# KiCad board atonceplus.kicad_pcb (continued)
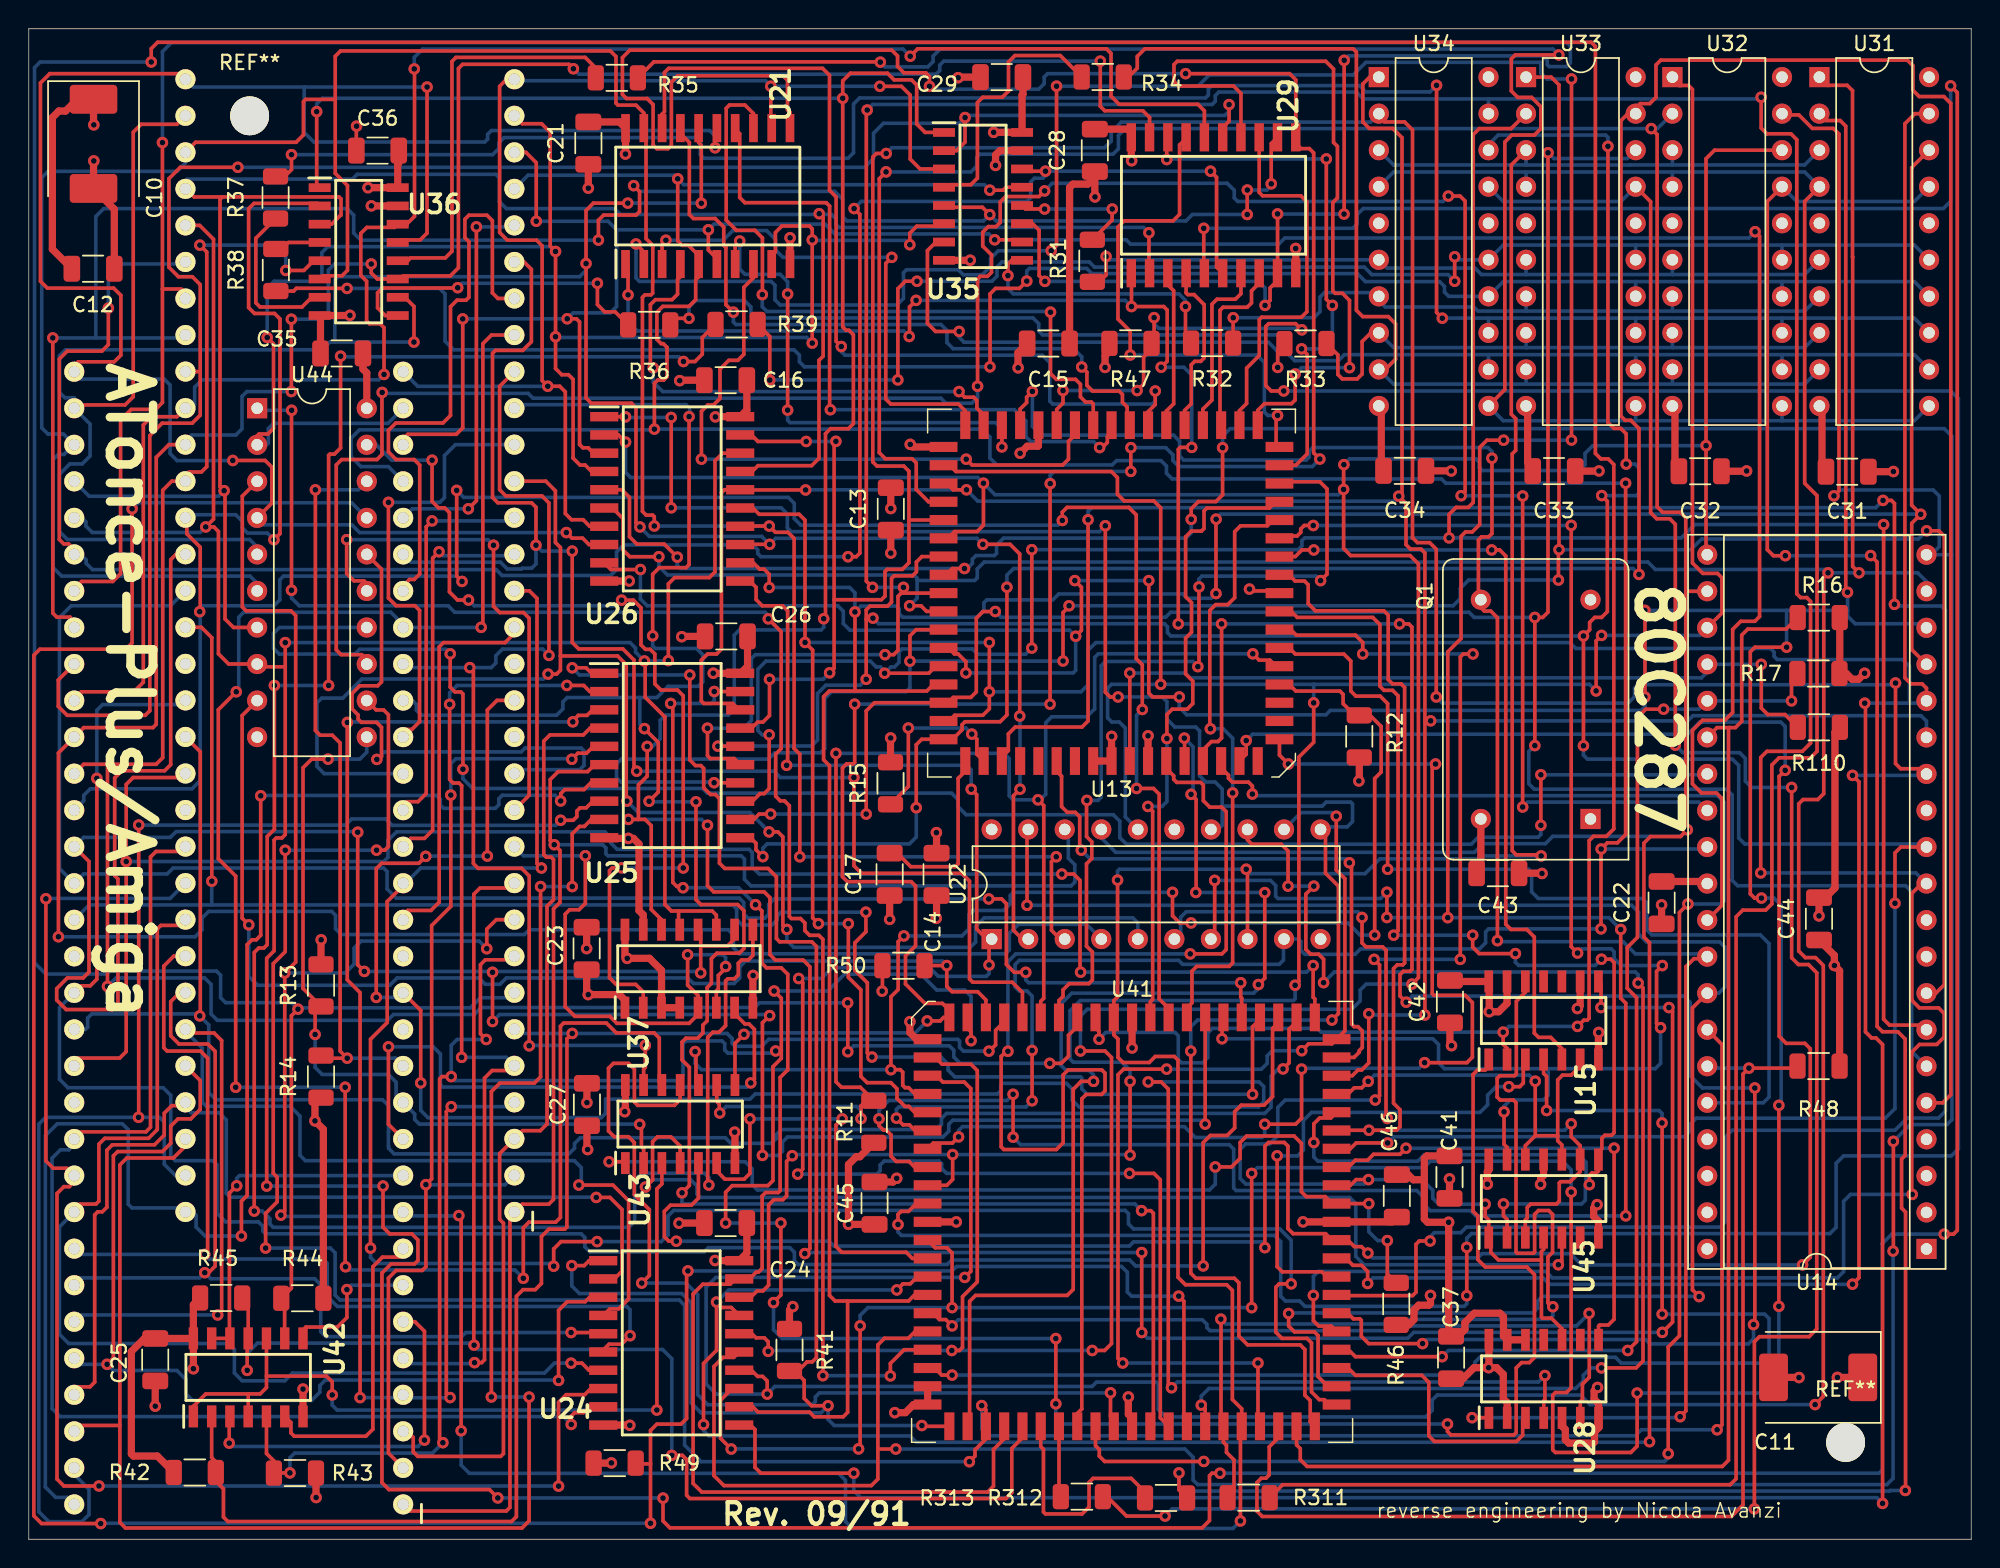
[diagram p0: board, top side]
## Routing (per net, layer and track width the routed paths; a pad name or vN(x,y) marks a point on that pad's centre or on a via; arc(x,y) is an arc through that point) (continued)
  Bottom w0.25: v1(69.73,33.98) 69.73,37.76 69.37,38.12 68.82,38.12 68.55,38.39 68.55,39.95 68.84,40.24 79.92,40.24 80.2,39.96 86.9,39.96 87.2,40.26 87.2,41.68 U22.9 88.24,41.72 88.41,41.55 88.41,40.93 88.68,40.66 92.18,40.66 92.56,41.04 100.83,41.04 101.25,41.46 101.25,42.22 101.46,42.43 v1(109.27,42.43) ; v1(60.3,29.27) 60.3,29.88 60.47,30.05 69.3,30.05 v1(69.73,30.48) ; 26.03,73.39 26.02,73.4 J1.29 24.99,74.57 23.08,74.57 22.4,75.25 22.4,76.54 22.98,77.12 43.43,77.12 v1(43.48,77.17) 66.25,77.17 66.8,76.62 66.8,75.16 67.28,74.68 75.3,74.68 75.6,74.98 78.69,74.98 79.07,74.6 79.07,74.1 79.46,73.71 98.18,73.71 98.48,73.41 v1(110.98,73.41) ; v1(66.79,93.78) 66.41,94.16 45.51,94.16 v1(45.1,94.57) 44.85,94.82 34.7,94.82 J2.29 ; U14.29 116.51,47.98 v1(109.28,47.98)
Z_A2: length 190.2
  Top w0.25: U21.6 47.82,89.03 47.23,89.62 v1(47.23,91.03) ; v1(119.98,90.89) 120.29,90.58 120.29,64.14 119.96,63.81 118.98,63.81 118.42,63.25 118.42,57.47 117.88,56.93 116.32,56.93 115.62,56.23 115.62,52.51 116.25,51.88 117.29,51.88 117.68,51.49 117.68,44.07 U14.31 ; J2.30 34.55,96.41 35.27,95.69 v1(35.27,91.62) ; v1(67.13,90.33) 68.88,90.33 U35.10 ; 26.03,75.93 26.03,76.5 26.34,76.81 29.71,76.81 30.16,77.26 v1(30.16,84.83) ; 40,75.5 39.25,75.5 38.88,75.87 38.51,75.87 38.28,76.1 38.28,84.62 38.06,84.84 v1(37.42,84.84)
  Bottom w0.25: v1(30.16,84.83) 30.17,84.84 v1(37.42,84.84) 37.83,85.25 40.41,85.25 40.86,85.69 40.86,91.03 ; 40.86,91.03 40.26,91.62 v1(35.27,91.62) ; 40.86,91.03 v1(47.23,91.03) 47.62,91.42 55.34,91.42 56.02,90.74 66.72,90.74 v1(67.13,90.33) 76.27,90.33 76.57,90.03 86.87,90.03 87.3,90.45 119.54,90.45 v1(119.98,90.89)
Z_A3: length 116.6
  Top w0.25: J2.31 34.3,98.4 35.64,98.4 36.24,97.8 36.24,89.89 v1(36.61,89.52) v1(36.61,83.59) 36.61,81.38 37.04,80.95 37.51,80.95 37.83,80.63 37.83,75.15 38.31,74.67 38.67,74.67 39.11,74.22 U26.4 ; v1(61.23,89.99) 61.23,90.79 61.72,91.28 63.44,91.28 U35.6 ; v1(16.57,83.54) 17.01,83.1 17.01,77.22 16.62,76.83 16,76.83 15.87,76.7 U44.2 ; v1(54.45,83.15) v1(54.45,90.32) 54.45,91.09 54.25,91.29 52.34,91.29 51.89,90.84 51.89,89.49 51.63,89.23 U21.9
  Bottom w0.25: J1.31 24.97,77.57 17.01,77.57 16.65,77.21 16.65,76.2 16.53,76.08 U44.2 ; v1(36.61,89.52) 36.28,89.85 20.78,89.85 20.37,89.44 20.37,87.81 20.01,87.45 17.06,87.45 16.57,86.96 v1(16.57,83.54) ; v1(36.61,83.59) 36.66,83.54 54.06,83.54 v1(54.45,83.15) ; v1(61.23,89.99) 60.93,90.29 54.48,90.29 v1(54.45,90.32) 54.46,90.33
Z_A4: length 86
  Top w0.25: v1(59.15,101) 60.65,101 61.26,100.39 61.26,95.94 61.94,95.25 U35.3 ; U21.12 51.57,98.16 v1(51.57,101) ; J2.32 33.21,101.49 32.72,101 32.72,90.84 33.26,90.3 35.29,90.3 35.68,89.91 35.68,80.54 v1(36.07,80.15) 36.9,80.15 37.29,79.76 37.29,71.3 37.72,70.87 38.53,70.87 38.98,70.42 40,70.42
  Bottom w0.25: J1.32 27.04,80.14 36.06,80.14 v1(36.07,80.15) ; J2.32 33.85,101.39 51.21,101.39 51.57,101.03 v1(51.57,101) 59.15,101 v1(59.15,101)
Z_A5: length 150.9
  Top w0.25: v1(37.36,69.98) 37.75,69.59 38.49,69.59 38.94,69.14 U26.8 ; U44.4 16.9,72.03 16.9,74.52 16.43,74.99 v1(14.18,74.99) ; U21.15 47.7,97.97 v1(47.7,96.72) ; v1(27.68,100.95) 27.68,90.8 27.2,90.32 25.82,90.32 U36.13 ; J1.33 3.16,81.57 3.44,81.85 5.94,81.85 6.4,82.31 6.4,86.47 5.9,86.97 1.29,86.97 0.81,87.45 0.81,101.23 1.46,101.88 10.5,101.88 J2.33
  Bottom w0.25: v1(47.7,96.72) 47.7,97.55 47.33,97.92 32.15,97.92 31.89,97.66 31.89,97.33 31.69,97.13 19.81,97.13 19.14,97.8 19.14,100.95 ; J2.33 10.9,101.49 11.44,100.95 19.14,100.95 ; v1(14.18,74.99) 14.17,74.98 10.31,74.98 9.82,75.47 9.82,80.24 9.41,80.65 3.67,80.65 J1.33 ; v1(37.36,69.98) 37.35,69.97 23,69.97 22.45,70.52 16.36,70.52 15.88,71 U44.4 ; 19.14,100.95 v1(27.68,100.95)
Z_A6: length 203.9
  Top w0.25: U36.10 26.14,86.34 26.77,85.7 v1(26.77,83.22) ; v1(68.87,57.22) 68.87,68.49 68.2,69.16 v1(66.31,69.16) ; U21.16 46.56,97.09 46.74,96.91 v1(46.74,92.87) ; v1(41.63,92.88) 39.24,92.88 38.73,92.37 v1(38.73,88.68) 38.73,79.33 39.09,78.97 41.89,78.97 42.2,78.66 42.2,70.64 v1(42.47,70.37) ; v1(51.49,69.16) 49.46,69.16 U26.13 ; J1.34 3.16,78.67 3.34,78.85 6.69,78.85 7.26,79.42 7.26,97.81 7.81,98.36 10.3,98.36 J2.34 ; U22.2 69.05,41.72 68.43,42.34 68.43,51.68 v1(68.89,52.14)
  Bottom w0.25: 21.27,83.22 20.92,83.22 20.38,82.68 2.54,82.68 2.13,82.27 2.13,79.73 2.51,79.35 3.14,79.35 3.16,79.33 J1.34 4.26,77.52 4.26,75.3 3.71,74.75 2.85,74.75 2.13,74.03 2.13,70.05 2.68,69.5 15.35,69.5 15.87,68.98 U44.5 ; 21.27,83.22 21.27,87.55 21.48,87.76 38.28,87.76 38.73,88.21 v1(38.73,88.68) ; 21.27,83.22 v1(26.77,83.22) ; v1(42.47,70.37) 43.13,69.71 50.94,69.71 v1(51.49,69.16) 51.91,69.58 65.89,69.58 v1(66.31,69.16) ; v1(46.74,92.87) 46.73,92.88 v1(41.63,92.88) ; v1(68.89,52.14) 68.89,57.2 v1(68.87,57.22)
Z_A7: length 200.6
  Top w0.25: U36.6 20.44,87.83 21.77,87.83 22.15,88.21 22.15,94.1 21.3,94.95 21.3,100.09 ; v1(53.59,47.44) 53.59,54.57 53.19,54.97 53.19,69.57 52.76,70 51.89,70 v1(51.46,70.43) 49.46,70.43 49.44,70.42 ; U22.3 71.69,41.72 71.07,42.34 71.07,47.1 v1(71.41,47.44) ; 21.3,100.09 19.24,100.09 19.09,99.94 19.09,97.62 18.58,97.11 11.59,97.11 J2.35 ; 21.3,100.09 21.3,103.09 21.67,103.46 40.42,103.46 40.81,103.07 40.81,99.83 40.95,99.69 42.2,99.69 42.75,99.15 U21.19 42.9,97.94 42.9,90.42 43.36,89.96 43.36,89.89 43.37,89.88 43.37,87.41 43.36,87.4 43.36,86.62 43.24,86.5 42.82,86.5 42.65,86.33 42.65,71.45 42.91,71.19 43.36,71.19 43.47,71.08 v1(43.47,70.44)
  Bottom w0.25: v1(71.41,47.44) v1(53.59,47.44) ; v1(51.46,70.43) 43.48,70.43 v1(43.47,70.44) ; U44.6 15.87,66.46 15.37,66.96 2.28,66.96 1.68,67.56 1.68,75.04 2.05,75.41 2.45,75.41 3.12,76.08 J1.35 2.41,76.83 1.33,76.83 0.9,77.26 0.9,94.65 1.34,95.09 10.31,95.09 10.89,95.67 J2.35
Z_A8: length 153.5
  Top w0.25: v1(77.85,90.82) 77.85,88.05 U29.2 ; J2.36 10.93,93.87 11.49,93.31 13.46,93.31 ; 13.46,93.31 13.29,93.14 13.29,73.18 v1(13.58,72.89) 13.64,72.83 13.64,63.97 14.23,63.38 U44.7 ; 13.46,93.31 21.56,93.31 21.7,93.17 21.7,92.04 21.67,92.04 21.05,91.41 U36.3 ; U26.17 50.28,74.22 50.68,74.63 54.41,74.63 54.92,75.14 54.92,81.95 55.21,82.24 55.21,91.87 v1(54.93,92.15)
  Bottom w0.25: v1(77.85,90.82) 77.48,91.19 56.31,91.19 56.1,91.4 56.1,91.78 55.79,92.09 41.12,92.09 40.71,92.5 33.19,92.5 32.7,92.99 32.7,94.64 32.46,94.88 22.82,94.88 22.49,94.55 11.01,94.55 10.89,94.43 J2.36 ; J1.36 4.2,72.5 13.19,72.5 v1(13.58,72.89)
Z_A9: length 463.1
  Top w0.25: v1(81.66,91.13) 81.66,88.05 U29.5 ; 17.83,60.64 17.83,48.98 17.59,48.75 17.2,48.75 17.05,48.6 17.05,40.9 16.53,40.39 v1(16.53,24.55) ; 17.83,60.64 v1(17.83,62.33) ; 17.83,60.64 16.06,60.64 U44.8 13.89,60.84 13.18,61.55 13.18,70.06 12.87,70.37 v1(12.3,70.37) 12.84,70.91 12.84,90.37 11.88,91.33 J2.37 ; U37.13 45.16,42.46 45.16,43.67 ; U37.11 47.78,43.38 47.5,43.67 45.16,43.67 ; v1(24.62,24.55) 24.62,21.69 25.08,21.23 26.62,21.23 27.05,20.8 27.05,19.38 26.81,19.14 25.18,19.14 24.54,18.5 24.54,3.94 25.03,3.45 32.02,3.45 v1(32.6,2.87) ; v1(133.12,21.21) 133.77,21.21 134.03,21.47 134.03,100.57 v1(133.57,101.03) ; v1(42.78,61.05) 42.84,61 42.84,58.53 44.21,57.16 44.21,44.12 44.66,43.67 45.16,43.67 ; v1(82.79,4.59) 82.23,4.59 82.06,4.42 82.06,1.3 81.55,0.79 44.56,0.79 44.08,1.27 v1(44.08,2.86) ; 49.44,75.5 48.22,75.5 47.69,74.96 47.69,67.24 47.3,66.85 44.89,66.85 44.45,66.41 v1(44.45,61.08)
  Bottom w0.25: v1(82.79,4.59) 128.6,4.59 128.81,4.8 128.81,20.54 129.48,21.21 v1(133.12,21.21) ; v1(44.45,61.08) 44.42,61.05 v1(42.78,61.05) 42.17,61.67 42.17,61.95 41.79,62.33 v1(17.83,62.33) ; v1(12.3,70.37) 11.91,69.98 4.42,69.98 3.97,70.43 3.97,70.72 3.69,71 J1.37 ; v1(44.08,2.86) 44.07,2.87 v1(32.6,2.87) ; v1(16.53,24.55) v1(24.62,24.55) ; v1(133.57,101.03) 133.57,93.01 133.07,92.51 92.75,92.51 92.32,92.08 92.32,91.43 92.02,91.13 v1(81.66,91.13)
Z_A10: length 146.2
  Top w0.25: v1(56.94,68.3) 57.51,68.3 57.76,68.55 57.76,92.1 v1(57.36,92.5) ; U35.14 69.19,95.1 v1(70.66,95.1) ; J1.38 3.16,68.8 2.77,69.19 2.43,69.19 2.12,69.5 2.12,82.04 2.67,82.59 5.08,82.59 5.53,83.04 v1(5.53,85.58) ; v1(82.13,95.1) 82.55,94.68 82.55,88.43 U29.6
  Bottom w0.25: v1(56.94,68.3) 50.88,68.3 50.66,68.52 50.66,68.78 50.32,69.12 41.34,69.12 40.85,68.63 40.85,67.4 40.44,66.99 32.9,66.99 32.48,67.41 4.42,67.41 3.99,67.84 3.99,68.08 3.61,68.46 J1.38 ; J2.38 10.75,88.65 6.09,88.65 5.53,88.09 v1(5.53,85.58) ; v1(57.36,92.5) 57.86,93 69.38,93 69.63,93.25 69.63,94.35 69.89,94.61 70.48,94.61 70.66,94.79 v1(70.66,95.1) v1(82.13,95.1)
Z_A11: length 203.6
  Top w0.25: v1(91.41,92.12) 91.42,92.13 v1(91.42,102.81) ; v1(86.79,92.13) 86.79,88.01 U29.9 ; v1(70.62,87.44) 70.22,87.84 70.22,91 69.77,91.44 68.79,91.44 ; 9.29,86.91 10.61,86.91 ; 9.29,86.91 9.29,79.02 8.81,78.54 7.12,78.54 6.38,77.8 6.38,67.12 5.84,66.58 3.67,66.58 3.16,66.07 J1.39 ; 9.29,86.91 v1(9.29,97.09) ; v1(85.92,85.77) 86.27,86.12 86.27,86.98 86.78,87.5 86.78,88.08
  Bottom w0.25: v1(91.42,102.81) 91.73,103.12 105.21,103.12 105.54,102.79 105.54,102.5 105.67,102.37 106.88,102.37 107.14,102.63 107.14,103.81 106.91,104.04 9.92,104.04 9.29,103.41 v1(9.29,97.09) ; v1(91.41,92.12) 86.8,92.12 v1(86.79,92.13) ; v1(85.92,85.77) 85.92,86.99 85.47,87.44 v1(70.62,87.44)
Z_A12: length 137.7
  Top w0.25: v1(66.79,92.08) 66.28,92.59 63.73,92.59 U35.5 ; v1(86.35,94.22) 86.35,97.02 U29.12 ; v1(42.04,94.09) 42.45,93.69 42.45,92.29 42.21,92.05 39.95,92.05 39.59,91.69 v1(39.59,90.31) ; v1(84.68,92.09) 84.68,93.78 v1(84.69,93.79) ; J1.40 3.16,63.81 2.87,64.1 1.95,64.1 1.67,64.38 v1(1.67,83.51)
  Bottom w0.25: v1(84.69,93.79) 86.04,93.79 86.35,94.1 v1(86.35,94.22) ; 4.66,83.51 10.69,83.51 J2.40 ; 4.66,83.51 4.66,91.95 5.21,92.5 22.13,92.5 22.58,92.05 22.58,90.8 23.08,90.3 39.58,90.3 v1(39.59,90.31) ; 4.66,83.51 v1(1.67,83.51) ; v1(84.68,92.09) 80.87,92.09 80.42,91.64 67.23,91.64 v1(66.79,92.08) 66.35,91.64 56.86,91.64 56.57,91.93 56.57,93.14 56.02,93.69 42.44,93.69 v1(42.04,94.09)
Z_A13: length 135.3
  Top w0.25: 11.92,81.2 11.92,78.14 11.36,77.58 9.27,77.58 8.41,76.72 8.41,57.59 8.09,57.27 2.67,57.27 2.05,57.89 2.05,59.73 J1.41 ; 11.92,81.2 11.92,87.21 11.37,87.76 10.4,87.76 9.74,88.42 9.74,94.58 10.53,95.37 v1(14.53,95.37) ; 11.92,81.2 11.89,81.17 J2.41 ; v1(83.42,99.73) 83.42,98.58 82.97,98.13 U29.15 ; U35.2 64.47,96.53 65.07,97.12 v1(65.07,98.83)
  Bottom w0.25: v1(83.42,99.73) 83.42,99.27 83.13,98.98 65.22,98.98 v1(65.07,98.83) 64.67,98.43 59.4,98.43 58.71,97.74 58.71,95.99 58.09,95.37 v1(14.53,95.37)
Z_A14: length 129.3
  Top w0.25: v1(24.69,80.97) 24.69,84.22 24.42,84.49 23.68,84.49 23.48,84.69 23.48,87.45 23.07,87.86 23.07,90.77 23.49,91.19 25.42,91.19 U36.14 26.27,91.41 26.81,91.96 26.81,102.19 v1(26.79,102.21) ; U29.16 81.71,99.3 81.25,99.75 75.78,99.75 75.21,100.32 75.21,103.29 74.9,103.6 74.9,103.61 61.78,103.61 v1(61.26,103.09) ; J1.42 3.16,58.42 3.65,58.91 7.3,58.91 7.96,59.57 7.96,77.46 8.53,78.03 10.29,78.03 J2.42
  Bottom w0.25: v1(24.69,80.97) 24.32,80.6 12.04,80.6 11.53,80.09 11.53,78.88 11.28,78.63 J2.42 ; v1(61.26,103.09) 60.76,103.59 27.37,103.59 26.79,103.01 v1(26.79,102.21)
Z_A15: length 218.7
  Top w0.25: v1(18.25,79.78) v1(18.25,84.81) ; v1(2.06,41.88) 2.06,54.66 J1.43 3.82,56.42 8.63,56.42 8.86,56.65 8.86,75.21 9.74,76.09 J2.43 ; v1(37.85,102.22) 37.54,102.53 30.15,102.53 29.86,102.24 29.86,88.38 29.3,87.82 26.02,87.82 25.81,87.6 U36.11 24.22,87.6 23.8,88.03 v1(23.8,88.65) ; U29.19 77.9,98.84 77.43,99.3 74.78,99.3 74.47,99.61 v1(74.47,102.75)
  Bottom w0.25: v1(2.06,41.88) 11.56,41.88 12.04,42.36 12.04,43.18 12.5,43.64 21.06,43.64 21.32,43.38 21.32,42.43 21.72,42.03 34.44,42.03 34.78,42.37 48.61,42.37 48.98,42 48.98,41.11 49.4,40.69 67.88,40.69 68.15,40.96 68.15,42.11 68.79,42.75 73.51,42.75 U22.4 ; v1(23.8,88.65) 21.25,88.65 20.82,88.22 20.82,85.31 20.32,84.81 v1(18.25,84.81) ; v1(74.47,102.75) 63.59,102.75 63.31,102.47 63.31,102.09 63.06,101.84 38.23,101.84 v1(37.85,102.22) ; v1(18.25,79.78) 15.16,79.78 14.82,79.44 14.82,77.19 14.39,76.76 11.32,76.76 10.89,76.33 J2.43
Z_A16: length 147.9
  Top w0.25: U41.4 72.87,35.65 72.26,35.04 72.26,33.58 71.76,33.08 v1(70.96,33.08) ; 3.17,53.07 3.17,53.21 J1.44 3.81,53.87 5.47,53.87 ; 5.47,53.87 v1(5.47,38.43) ; 5.47,53.87 8.85,53.87 9.31,54.33 9.31,72.92 9.94,73.55 J2.44 10.89,73.94 11.14,74.19 12,74.19 12.37,74.56 12.37,89.48 v1(11.89,89.96) ; U36.5 19.8,88.88 19.12,88.2 v1(17.86,88.2) ; v1(56.91,37.29) 56.92,37.28 v1(56.92,33.89)
  Bottom w0.25: v1(70.96,33.08) 64.73,33.08 64.29,33.52 64.29,33.99 63.98,34.3 57.33,34.3 v1(56.92,33.89) ; v1(11.89,89.96) 17.38,89.96 17.86,89.48 v1(17.86,88.2) ; v1(5.47,38.43) 6.06,39.02 12.22,39.02 12.67,38.57 12.67,36.51 13.11,36.07 24.94,36.07 25.35,36.48 30.96,36.48 31.44,36.96 50.45,36.96 50.78,37.29 v1(56.91,37.29)
Z_A17: length 180
  Top w0.25: J2.45 10.99,70.91 10.99,69.89 11.92,68.96 11.92,64.52 v1(11.88,64.48) ; U36.2 20.04,92.86 15.65,92.86 15.28,92.49 15.28,85.62 15.69,85.21 17.08,85.21 17.46,84.83 17.46,69.9 v1(17.04,69.48) ; v1(29.74,72.91) 29.74,66.95 v1(30.11,66.58) ; v1(71.83,70.82) 71.83,71.4 72.16,71.73 76.45,71.73 76.97,71.21 76.97,61.21 77.39,60.79 v1(77.39,57.68) ; v1(76.99,52.19) 78.17,52.19 78.56,51.8 78.56,37.56 79.22,36.9 U41.83 79.22,36.76
  Bottom w0.25: v1(77.39,57.68) 76.99,57.28 v1(76.99,52.19) ; v1(71.83,70.82) 71.83,70.81 71.51,70.49 53.66,70.49 53.2,70.95 53.2,72.01 52.78,72.43 30.22,72.43 v1(29.74,72.91) ; v1(17.04,69.48) 16.57,69.95 15.2,69.95 14.84,70.31 14.84,70.76 14.38,71.22 11.1,71.22 J2.45 ; v1(30.11,66.58) 29.74,66.95 17.7,66.95 17.45,66.7 17.45,65.3 17.04,64.89 12.09,64.89 11.88,64.68 v1(11.88,64.48) 11.92,64.44 11.92,52.74 11.34,52.16 4.27,52.16 3.82,51.71 3.82,51.34 J1.45
Z_A18: length 185.8
  Top w0.25: U41.81 v1(81.76,28.86) ; v1(22.86,49.15) 22.86,39.93 v1(23.32,39.47) ; 46.7,41.25 48.57,41.25 49.06,41.73 U37.10 ; 46.7,41.25 v1(46.7,39.37) ; 46.7,41.25 46.7,42.19 U37.12 ; J2.46 10.24,68.47 9.86,68.09 9.86,53.84 9.44,53.42 6.47,53.42 5.97,52.92 5.97,46.13 6.2,45.91 6.2,37.22 5.8,36.82 2.6,36.82 1.94,37.48 1.94,38.28 2.68,39.02 3.78,39.02 4.19,39.43 4.19,47.11 J1.46 3.16,47.89 ; v1(50.99,26.68) 50.99,35.9 v1(51.49,36.4) ; v1(32.23,35.99) v1(32.23,39.41)
  Bottom w0.25: v1(32.23,35.99) 32.72,36.48 51.41,36.48 v1(51.49,36.4) ; v1(81.76,28.86) 81.76,29.01 81.64,29.13 64.22,29.13 63.94,28.85 63.94,28.36 63.54,27.96 52.73,27.96 52.38,27.61 52.38,26.97 52.09,26.68 v1(50.99,26.68) ; J1.46 3.81,48.79 9.84,48.79 10.24,49.19 22.82,49.19 v1(22.86,49.15) ; v1(23.32,39.47) 32.17,39.47 v1(32.23,39.41) 32.29,39.47 46.6,39.47 v1(46.7,39.37)
Z_A19: length 121.1
  Top w0.25: v1(84.23,38.69) 84.23,37.68 84.3,37.61 U41.79 ; v1(66.72,44.51) 67.61,44.51 67.95,44.17 67.95,39.95 68.49,39.41 v1(69.29,39.41)
  Bottom w0.25: v1(66.72,44.51) 51.8,44.51 51.42,44.13 51.42,43.44 51.16,43.18 49.98,43.18 49.69,43.47 49.69,44.26 49.39,44.56 25.54,44.56 24.9,45.2 24.9,46.42 24.66,46.66 10.03,46.66 9.62,46.25 3.81,46.25 J1.47 2.13,46.63 2.13,64.07 2.95,64.89 9.85,64.89 J2.47 ; v1(69.29,39.41) 69.29,38.88 69.49,38.69 v1(84.23,38.69)
Z_A20: length 122.5
  Top w0.25: v1(58.6,33.52) 58.56,33.52 58.28,33.8 58.28,38.68 57.41,39.55 57.41,41.46 58.18,42.23 v1(58.18,43.59) ; U41.78 85.57,36.14 85.05,35.62 v1(85.05,30.93) ; v1(12.72,45.74) 12.72,62.67 12,63.39 J2.48
  Bottom w0.25: v1(58.18,43.59) 52.29,43.59 52.01,43.31 52.01,43.06 51.65,42.7 49.58,42.7 49.2,43.08 49.2,43.81 48.91,44.1 12.71,44.1 ; 12.71,44.1 4.2,44.1 J1.48 3.17,43.05 3.17,42.91 ; 12.71,44.1 12.71,45.73 v1(12.72,45.74) ; v1(85.05,30.93) 73.56,30.93 73.18,31.31 73.18,32.06 73.1,32.14 64.36,32.14 63.89,32.61 63.89,33.03 63.4,33.52 v1(58.6,33.52)
Z_A21: length 145.5
  Top w0.25: v1(81.62,19) 81.62,27.57 82.12,28.07 83.29,28.07 83.81,28.59 83.81,29.72 84.26,30.17 85.85,30.17 86.44,30.76 86.44,35.51 86.84,35.91 U41.77 ; v1(4.73,52.89) 4.73,38.93 4.27,38.47 3.65,38.47 3.17,37.99 3.17,37.83
  Bottom w0.25: J1.50 2.13,36.95 2.13,31.98 2.72,31.39 9.34,31.39 9.86,30.86 9.86,26.64 10.18,26.32 12.8,26.32 13.08,26.04 13.08,22.66 13.68,22.06 15.96,22.06 16.26,21.76 16.26,21.43 16.46,21.23 38.39,21.23 38.65,20.97 38.65,20.32 39.01,19.96 46.92,19.96 47.23,20.27 52.89,20.27 53.21,19.95 53.21,19.36 53.47,19.1 63.83,19.1 64.14,19.41 76.51,19.41 76.92,19 v1(81.62,19) ; J2.50 10.6,58.02 5.13,58.02 4.73,57.62 v1(4.73,52.89)
Z_A22: length 121.8
  Top w0.25: U41.76 88.11,35.97 87.59,35.45 87.59,33.11 v1(87.17,32.69) ; J2.51 11.92,54.74 11.92,36.42 v1(11.88,36.38)
  Bottom w0.25: J1.51 3.93,35.44 4.09,35.6 4.09,36.23 4.38,36.52 11.74,36.52 v1(11.88,36.38) 12.51,35.75 12.51,31.05 13.01,30.55 24.59,30.55 25,30.14 25,28.32 24.99,28.31 24.99,27.33 25,27.32 25,27.18 25.39,26.79 37.54,26.79 37.93,27.18 37.93,27.51 38.33,27.91 48.41,27.91 48.8,27.52 51.61,27.52 51.94,27.85 51.94,28.11 52.31,28.48 63.07,28.48 63.43,28.84 63.43,29.25 63.78,29.6 85.9,29.6 86.34,30.04 86.34,32.19 86.8,32.65 87.13,32.65 v1(87.17,32.69)
Z_A23: length 123.8
  Top w0.25: v1(89.26,39.88) 89.26,37.67 89.38,37.56 U41.75 ; 3.17,32.75 3.17,33.16 3.46,33.45 6.32,33.45 6.77,33.9 v1(6.77,47.11) 6.77,52.47 7.25,52.95 10.61,52.95 J2.52 ; v1(73.1,39.42) 73.06,39.46 73.06,45.8 72.62,46.24 v1(71.8,46.24)
  Bottom w0.25: v1(6.77,47.11) 24.67,47.11 24.96,47.4 24.96,48.57 25.57,49.18 40.04,49.18 40.44,48.78 40.44,48.41 40.89,47.96 50.06,47.96 50.28,47.74 50.28,46.73 50.77,46.24 v1(71.8,46.24) ; v1(89.26,39.88) 88.81,39.42 v1(73.1,39.42)
Z_CLK: length 162.9
  Top w0.25: v1(24.15,37.67) 24.15,46.62 24.52,46.99 27.11,46.99 v1(27.59,47.47) ; U28.4 105.29,9.62 105.37,9.7 v1(105.37,11.38) ; J2.15 32.54,58.31 31.87,57.64 v1(31.87,47.49) ; J1.15 27.24,36.76 v1(27.24,31.72) ; v1(77.8,31.79) 78.7,31.79 79.19,31.3 79.19,10.76 v1(79.42,10.53)
  Bottom w0.25: v1(24.15,37.67) 25.7,37.67 J1.15 ; v1(27.24,31.72) 27.24,29.81 27.74,29.31 39.79,29.31 40.09,29.61 40.09,30.59 50.12,30.59 50.48,30.95 67.32,30.95 67.55,31.18 67.55,31.58 67.66,31.69 72.12,31.69 72.52,31.29 72.52,30.52 72.99,30.05 85.47,30.05 85.83,30.41 85.83,31.47 85.51,31.79 v1(77.8,31.79) ; v1(27.59,47.47) 27.61,47.49 v1(31.87,47.49) ; v1(105.37,11.38) 104.92,10.93 79.82,10.93 v1(79.42,10.53)
Z_D0: length 68.9
  Top w0.25: J2.5 33.42,32.58 32.2,32.58 31.68,32.06 31.68,12.48 31.48,12.28 v1(30.98,12.28) ; v1(30.08,33.5) 30.08,52.39 29.9,52.57 29.49,52.57 29.25,52.81 v1(29.25,58.04) ; v1(37.4,59.35) 38.57,59.35 39,58.92 40,58.92
  Bottom w0.25: v1(29.25,58.04) 29.25,58.83 29.77,59.35 v1(37.4,59.35) ; J1.5 26.39,12.21 30.91,12.21 v1(30.98,12.28) ; J2.5 33.75,32.93 33.18,33.5 v1(30.08,33.5)
Z_D1: length 98
  Top w0.25: v1(23.02,9.85) 23.02,38 22.13,38.89 22.13,56.77 v1(22.14,56.78) ; v1(29.28,9.85) 29.02,10.11 29.02,29.73 v1(29.36,30.07) ; U25.3 39.19,57.66 38.8,57.27 38.19,57.27 37.81,56.89 v1(37.81,56.82)
  Bottom w0.25: v1(29.28,9.85) 29.26,9.83 26.23,9.83 J1.4 ; v1(23.02,9.85) 25.83,9.85 J1.4 ; v1(37.81,56.82) 22.18,56.82 v1(22.14,56.78) ; J1.4 26.02,10.02 25.68,9.68 ; J1.4 26.37,9.69 ; J2.4 33.75,30.36 33.46,30.07 v1(29.36,30.07)
Z_D2: length 65.3
  Top w0.25: U25.4 39.02,56.39 38.54,55.91 36.22,55.91 35.79,55.48 35.79,47.59 35.97,47.41 36.31,47.41 36.47,47.25 36.47,44.46 36.02,44.01 36.02,28.87 35.55,28.4 34.31,28.4 33.75,27.84 J2.3 32.72,26.8 32.72,22.24 32.99,21.97 32.99,5.95 32.8,5.76 27.03,5.76 26.72,6.07 26.72,7.08 26.3,7.5 J1.3
Z_D3: length 69.9
  Top w0.25: v1(37.74,54.22) 38.16,54.64 38.76,54.64 39.23,55.11 U25.5 ; v1(29.33,51.73) 29.33,43.99 28,42.66 28,25.05 v1(27.6,24.65) 27.6,18.94 27.35,18.69 25.53,18.69 24.99,18.15 24.99,5.99 J1.2
  Bottom w0.25: v1(29.33,51.73) 29.33,53.91 29.68,54.26 37.7,54.26 v1(37.74,54.22) ; v1(27.6,24.65) 27.61,24.64 33.1,24.64 J2.2
Z_D4: length 107.8
  Top w0.25: U25.6 39.33,53.84 38.84,53.36 36.79,53.36 36.24,52.81 36.24,48.56 v1(36.52,48.28) 36.92,47.88 36.92,44.27 36.47,43.82 36.47,23.62 36.14,23.29 34.29,23.29 J2.1 33.44,22.44 33.44,2.21 33.19,1.96 26.48,1.96 J1.1
  Bottom w0.25: U22.18 72.25,49.09 72.25,47.34 72.7,46.89 72.7,45.68 72.44,45.42 50.19,45.42 49.74,45.87 49.74,47.28 49.51,47.51 40.25,47.51 40.11,47.65 40.11,48.06 39.89,48.28 v1(36.52,48.28)
Z_D5: length 105.1
  Top w0.25: U25.7 39.06,52.58 38.59,52.11 37.25,52.11 36.97,51.83 36.97,51.33 v1(36.97,51.32) ; v1(16.12,51.68) 16.12,41.98 15.81,41.67 15.51,41.67 15.18,41.34 15.18,23.9 14.78,23.5 v1(14.78,21.08)
  Bottom w0.25: v1(14.78,21.08) 12.25,21.08 11.63,21.7 11.63,22.51 11.39,22.75 J2.64 10.61,23.03 7.17,23.03 6.91,23.29 6.91,28.47 6.5,28.88 1.98,28.88 1.15,28.05 1.15,3.63 1.87,2.91 2.67,2.91 J1.64 ; v1(16.12,51.68) 16.15,51.71 28.33,51.71 28.6,51.44 28.6,51.04 28.83,50.81 32.42,50.81 32.67,51.06 32.67,51.48 32.91,51.72 36.57,51.72 v1(36.97,51.32)
Z_D6: length 102.3
  Top w0.25: U25.8 39.2,51.31 38.74,50.84 38.31,50.84 38.09,50.62 38.09,50.23 37.84,49.98 v1(36.97,49.98) ; v1(7.64,49.65) 7.64,29.34 v1(7.63,29.33)
  Bottom w0.25: J1.63 3.16,4.5 4.19,3.47 4.19,1.72 3.69,1.22 1.39,1.22 0.7,1.91 0.7,28.86 1.17,29.33 v1(7.63,29.33) 9.08,29.33 9.41,29 9.41,26.07 10.19,25.29 J2.63 ; v1(36.97,49.98) 36.97,49.97 36.63,49.63 25.25,49.63 24.81,50.07 22.44,50.07 22.01,49.64 7.65,49.64 v1(7.64,49.65)
Z_D7: length 120.6
  Top w0.25: 6.33,7.91 6.33,26.02 6.81,26.5 10.05,26.5 10.89,27.34 J2.62 ; 6.33,7.91 3.57,7.91 J1.62 ; 6.33,7.91 6.33,1.17 6.72,0.78 34.28,0.78 34.77,1.27 v1(34.77,9.88) ; v1(32.15,9.89) 32.15,31.12 32.74,31.71 35.14,31.71 35.57,32.14 v1(35.57,45.37) ; v1(37.77,45.37) 37.77,49.04 38.28,49.55 38.62,49.55 38.62,49.56 39.09,50.03 U25.9
  Bottom w0.25: v1(34.77,9.88) 34.76,9.89 v1(32.15,9.89) ; v1(35.57,45.37) v1(37.77,45.37)
Z_D8: length 68.7
  Top w0.25: v1(39.44,23.76) 40.39,23.76 41.23,22.92 41.23,18.63 40.69,18.09 39.92,18.09 ; J2.61 10.66,30.14 9.94,30.14 9.41,29.61 9.41,28.09 8.74,27.42 5.81,27.42 5.43,27.04 5.43,23.08 5.11,22.76 4.79,22.76 4.58,22.55 4.58,10.92 4.25,10.59 3.46,10.59 3.16,10.29 J1.61
  Bottom w0.25: J2.61 10.89,30.05 11.29,29.65 13.23,29.65 13.72,29.16 13.72,24.05 13.99,23.78 39.42,23.78 v1(39.44,23.76)
Z_D9: length 70.9
  Top w0.25: J2.60 11.92,31.88 11.92,29.88 11.26,29.22 10.37,29.22 9.86,28.71 9.86,27.52 9.29,26.95 6.18,26.95 5.88,26.65 5.88,12.6 v1(5.44,12.16) ; v1(36.82,11.04) 36.82,15.91 37.42,16.51 38.67,16.51 38.98,16.83 39.92,16.83
  Bottom w0.25: v1(36.82,11.04) 36.79,11.07 20.62,11.07 20.23,10.68 20.23,10.22 19.66,9.65 11.38,9.65 10.91,10.12 10.91,11.11 10.29,11.73 5.87,11.73 v1(5.44,12.16) 3.56,12.16 3.16,12.56 J1.60
Z_D10: length 81.8
  Top w0.25: 39.92,15.56 40.39,16.02 41.01,16.02 41.69,16.7 41.69,23.53 40.6,24.62 v1(38.23,24.62) ; v1(13.13,15.59) 13.41,15.87 13.41,34.66 12.88,35.19 11.15,35.19 J2.59
  Bottom w0.25: v1(13.13,15.59) 3.62,15.59 3.16,15.13 J1.59 ; J2.59 10.89,35.31 12.06,34.14 12.06,30.38 12.34,30.1 18.16,30.1 18.85,29.41 18.85,26.69 19.22,26.32 37.91,26.32 38.4,25.83 38.4,24.79 v1(38.23,24.62)
Z_D11: length 64.1
  Top w0.25: J2.58 10.48,37.99 9.86,37.37 9.86,35 10.44,34.42 12.45,34.42 12.96,33.91 12.96,18.99 12.5,18.53 v1(12.23,18.53) ; v1(37.69,14.37) 39.84,14.37 39.92,14.28
  Bottom w0.25: v1(37.69,14.37) 30.37,14.37 30.08,14.08 20.64,14.08 20.29,14.43 20.29,17.69 19.87,18.11 12.65,18.11 v1(12.23,18.53) 11.87,18.17 3.64,18.17 3.16,17.69 J1.58
Z_D12: length 70.5
  Top w0.25: J2.57 10.07,40.53 9.38,39.84 9.38,34.17 9.61,33.94 11.93,33.94 12.43,33.44 12.43,20 v1(12.23,19.8) ; v1(41.79,14.15) 41.2,13.56 40.33,13.56 39.92,13.16 39.92,13.01
  Bottom w0.25: v1(41.79,14.15) 41.79,15.95 41.56,16.18 21.44,16.18 20.74,16.88 20.74,19.18 20.44,19.48 12.55,19.48 v1(12.23,19.8) 3.55,19.8 3.16,20.19 J1.57
Z_D13: length 76.4
  Top w0.25: 39.92,11.75 38.94,11.75 38.44,12.24 v1(37.69,12.24) ; J1.56 3.16,22.9 3.56,23.3 4.67,23.3 4.87,23.5 4.87,27.46 5.28,27.87 8.33,27.87 8.93,28.47 8.93,42.42 9.18,42.67 10.49,42.67 J2.56
  Bottom w0.25: J1.56 2.13,21.71 2.13,14.25 2.77,13.61 13.86,13.61 14.29,13.18 14.29,11.56 14.83,11.01 17.79,11.01 18.33,11.55 35.84,11.55 36.53,12.24 v1(37.69,12.24)
Z_D14: length 97
  Top w0.25: 39.92,10.47 39.06,10.47 38.64,10.05 37.35,10.05 36.82,9.52 v1(36.82,3.69) ; v1(4.88,3.7) 2.44,3.7 1.96,4.18 1.96,24.03 2.44,24.51 2.82,24.51 3.16,24.85 J1.55 3.14,25.28 2.63,25.79 1.7,25.79 1.19,26.3 v1(1.19,44.52)
  Bottom w0.25: v1(1.19,44.52) 1.22,44.55 9.83,44.55 J2.55 ; v1(36.82,3.69) 36.81,3.7 v1(4.88,3.7)
Z_D15: length 86.5
  Top w0.25: J2.54 10.55,47.81 8.84,47.81 8.46,47.43 8.46,28.64 8.14,28.32 3.68,28.32 3.18,27.82 J1.54 ; v1(37.7,7.98) 37.7,8.56 37.94,8.8 38.56,8.8 38.97,9.21 39.92,9.21
  Bottom w0.25: v1(37.7,7.98) 37.15,8.53 2.17,8.53 1.62,9.08 1.62,26.49 2.2,27.07 2.78,27.07 3.16,27.45 J1.54
Z_E: length 27.2
  Top w0.25: J1.20 26.02,51.01 26.28,51.27 27.05,51.27 27.62,51.84 27.62,70.38 v1(28.03,70.79)
  Bottom w0.25: v1(28.03,70.79) 33.53,70.79 J2.20
Z_FC0: length 27.3
  Top w0.25: v1(31.11,91.23) 31.11,72.19 v1(30.55,71.63)
  Bottom w0.25: J1.28 26.65,71.63 v1(30.55,71.63) ; J2.28 33.65,91.23 v1(31.11,91.23)
Z_FC1: length 100.7
  Top w0.25: v1(57.35,52.95) 57.35,46.82 57.88,46.29 64.84,46.29 65.38,45.75 65.38,38.95 65.61,38.72 68.35,38.72 69.06,38.01 U41.7 ; J2.27 34.42,88.79 34.93,88.28 34.93,83.24 34.33,82.64 32.43,82.64 32.23,82.44 32.23,72.42 32.6,72.05 34.94,72.05 35.25,71.74 v1(35.25,69.1) ; v1(37.77,68.69) 37.77,62.34 38.22,61.89 41.29,61.89 42.06,61.12 42.06,53.58 v1(42.25,53.39)
  Bottom w0.25: v1(42.25,53.39) 51.79,53.39 52.23,52.95 v1(57.35,52.95) ; J1.27 26.56,67.92 32.78,67.92 33.26,67.44 34.24,67.44 34.3,67.5 34.95,67.5 35.25,67.8 v1(35.25,69.1) 35.66,68.69 v1(37.77,68.69)
